# Altium PCB Stratochovy2.PcbDoc (part 2 of 2) (continued)
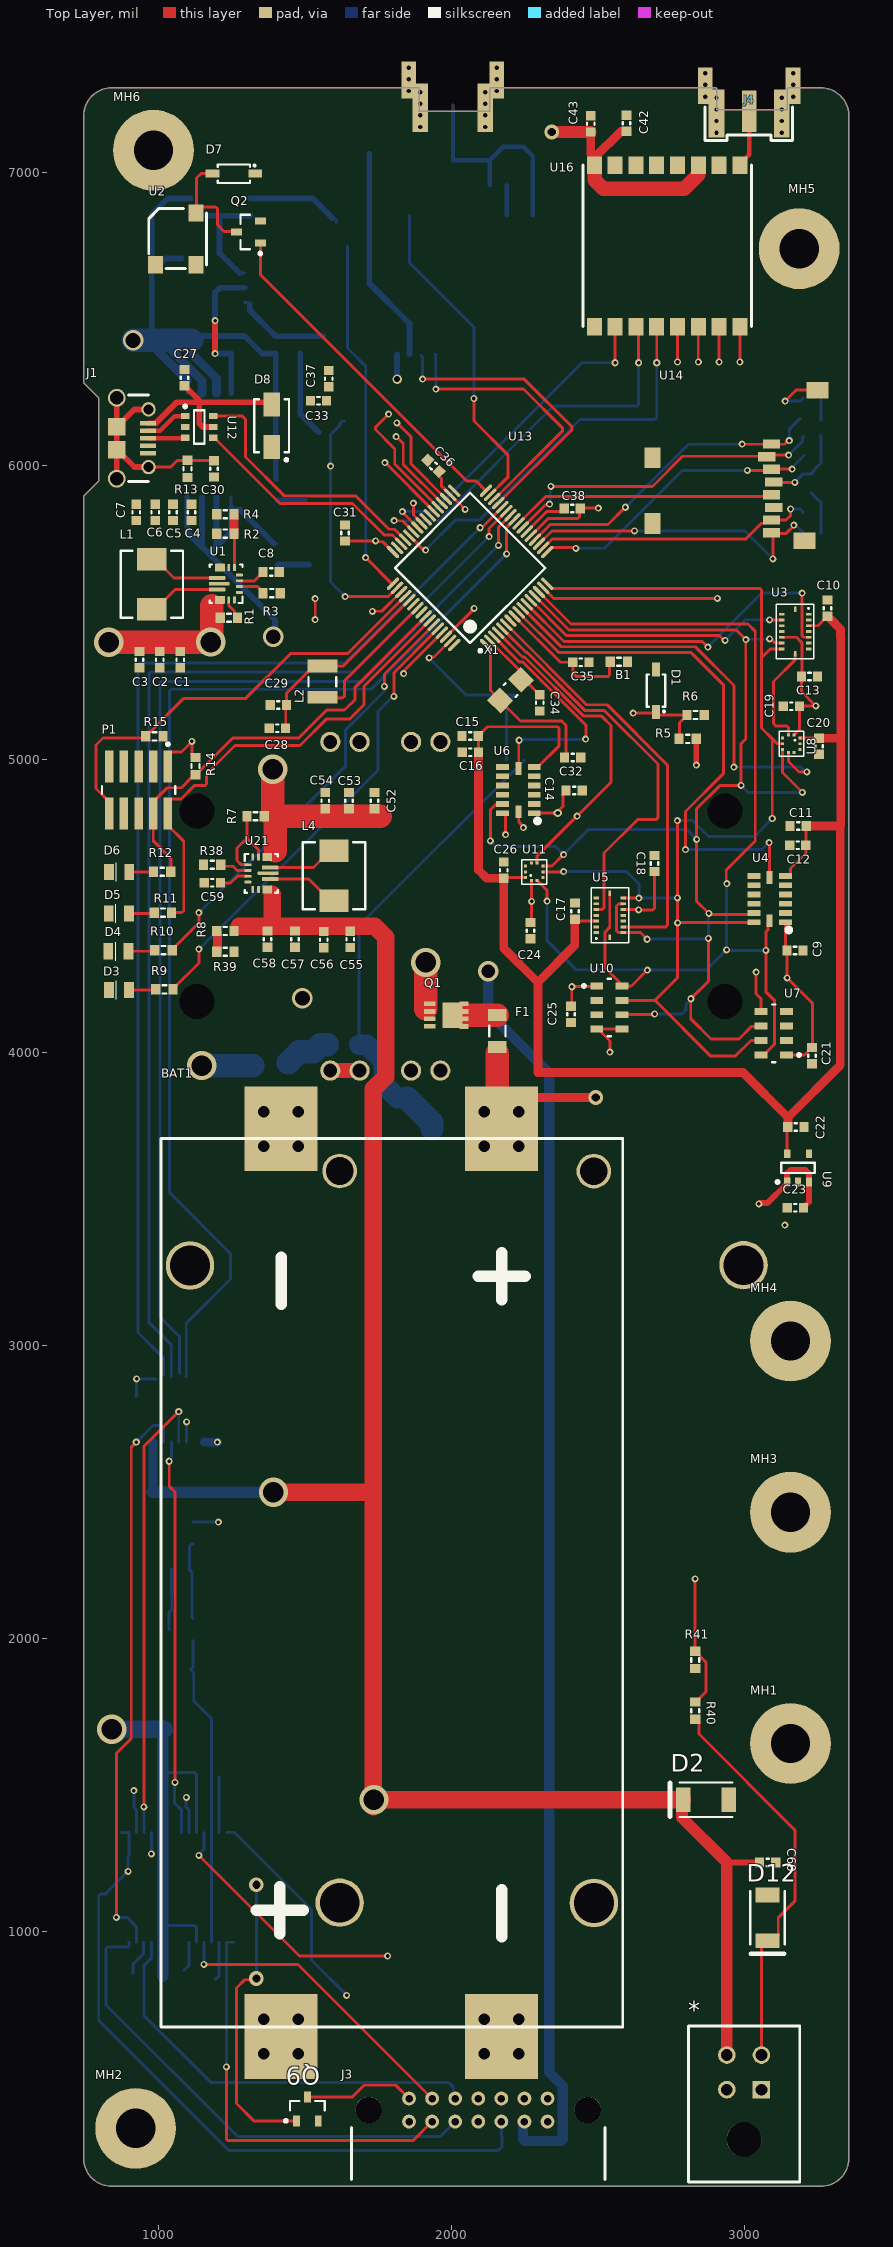
[diagram p0: Top Layer view]
## Nets (pads, with @x,y where several pads share a name; then routed paths per layer and width w, separated by ;. In a path a pad name is that pad's centre, name@x,y a point inside that pad or via, vN(x,y) a via of type N, cw(c..) or ccw(c..) an arc to the next point about the centre after c; other vN are vias at no path point) (continued)
  Bottom Layer w20: Q3.8@1098,5891.85 1098,5774 1144,5728 1172,5700 1200,5728 1248,5776 Q3.5@1248,5859.8 ; 1148,5732 Q3.7@1148,5891.85 ; 1172.41,5700.41 1397,5475.82 v5@1397,5422 ; 1198,5730 Q3.6@1198,5891.85 ; Q3.5@1257.93,5849.87 1278.75,5849.87 D10.1@1394.17,5734.45
NetD10_2: D10.2 R29.2 | length 108.9
  Bottom Layer w10: D10.2@1405,5665.55 D10.2@1407.08,5663.47
  Bottom Layer w20: D10.2@1407.08,5663.47 R29.2@1513,5663.47
NetF1_2: F1.2 Q1.5 | length 114
  Top Layer w80: 2042.03,4126.13 F1.2@2156,4126.13
NetF2_2: F2.2 Q6.5 | length 191.3
  Bottom Layer w10: F2.2@1560.2,3998.5 1575.87,4014.17 F2.2@1575.87,4025
  Bottom Layer w80: Q6.5@1443.03,3963.6 1480.93,4001.5 1528.74,4001.5 1552.24,4025 F2.2@1575.87,4025
NetJ2_S1: J2.S1 L3.2 U15.11 | length 312.9
  Bottom Layer w10: J2.S1@2004,7229.2 J2.S1@2004.65,7228.55
  Bottom Layer w15: J2.S1@2004.65,7228.55 L3.2@2004.65,7043.33 2131.44,7043.33
NetJ3_7: J3.7 Q9.3 | length 382.7
  Top Layer w10: Q9.3@1507.68,434.35 1660.35,434.35 1701,475 1809.52,475 J3.7@1854.78,429.74
NetL1_1: L1.1 U1.11 | length 250.3
  Top Layer w10: L1.1@977,5510.37 988.81,5510.37 1056.76,5578.31 1198.68,5578.31 U1.11@1199,5578
NetL1_2: L1.2 U1.9 | length 239.8
  Top Layer w10: L1.2@977,5681.63 988.81,5681.63 1052.76,5617.69 1189.32,5617.69 U1.9@1190,5617
NetL4_1: L4.1 U21.11 | length 229.8
  Top Layer w10: U21.11@1380.78,4629.69 1528.91,4629.69 1578,4678.77 L4.1@1578,4691
NetL4_2: L4.2 U21.9 | length 234.3
  Top Layer w10: U21.9@1380.78,4590.31 1512.91,4590.31 1578.23,4525 L4.2@1588,4525
NetQ3_4: Q3.4 R23.1 U17.3 | length 505.2
  Top Layer w20: v1(1193,6383.47) v1(1193,6496)
  Bottom Layer w10: R23.1@1247,6383.47 R23.1@1248,6382.47
  Bottom Layer w20: v1(1193,6383.47) R23.1@1247,6383.47 ; v1(1193,6496) 1193,6592 1209,6608 U17.3@1293.28,6608 ; Q3.4@1248,6248.15 R23.1@1248,6382.47
NetQ4_3: Q4.3 R27.1 | length 301.2
  Bottom Layer w10: Q4.3@1545.76,6115 Q4.3@1552.65,6115
  Bottom Layer w20: R27.1@1483.49,6383.47 1483.49,6177.26 Q4.3@1545.76,6115
NetQ5_3: Q5.3 R28.1 | length 330.7
  Bottom Layer w10: 1593.3,6845.06 1600.19,6845.06 1607,6838.24 Q5.3@1607,6831.35
  Bottom Layer w20: R28.1@1314,6912.53 1525.83,6912.53 1593.3,6845.06
NetQ7_1: Q7.1 Q8.2 R30.1 | length 269.8
  Bottom Layer w10: R30.1@1103.53,2236 R30.1@1106,2233.53 ; Q7.1@1117.35,2067.4 1114.28,2070.48 1114.28,2225.25 R30.1@1106,2233.53 ; Q8.2@1117.35,2321.6 1112.81,2321.6 1106,2314.79 R30.1@1106,2233.53
NetR1_1: R1.1 U1.1@1275.79,5568.47 U1.14 | length 50.5
  Top Layer w10: U1.14@1239.37,5542.88 1239.65,5542.61 1239.65,5523.71 1259.06,5504.3 1259.06,5500.53
NetR2_1: R2.1 R4.1 U1.5 | length 181.3
  Top Layer w10: R2.1@1257.53,5769 1258.92,5756.28 U1.5@1258.92,5653.26
  Top Layer w30: R4.1@1257.53,5835 1257.55,5832.28 1257.55,5832.08 1258.04,5772.18 1258.04,5771.72 R2.1@1258.06,5769.54
NetR3_1: R3.1 U1.2 | length 89.9
  Top Layer w10: U1.2@1275.79,5588.16 1338.28,5588.16 1354.44,5572 R3.1@1359,5572
NetR7_1: R7.1 U21.1@1304.99,4639.53 U21.14 | length 289.6
  Top Layer w10: R7.1@1301.47,4805 1302.04,4804.43 1302.04,4729.95 ; U21.1@1304.99,4639.53 1281.94,4639.53 1268.16,4653.31 1268.16,4696.07 1302.04,4729.95 ; U21.14@1341.41,4665.12 1341.41,4690.58 1302.04,4729.95
NetR8_1: R8.1 R39.1 U21.5 | length 67.5
  Top Layer w30: R39.1@1201.47,4342 R8.1@1201.47,4409.53
NetR22_1: R22.1 U15.9 | length 104.7
  Bottom Layer w10: U15.9@2188.53,6856.36 U15.9@2190.67,6854.22
  Bottom Layer w15: U15.9@2188.53,6856.36 R22.1@2188.53,6958
NetR31_1: R31.1 U20.29 | length 122.9
  Bottom Layer w10: R31.1@912.44,855.61 912.44,887.23 948.74,923.53 948.74,961.89 U20.29@949.84,962.99
NetR33_1: R33.1 U20.23 | length 102.4
  Bottom Layer w10: R33.1@1087,868.53 1088.97,868.53 1103.39,882.95 U20.23@1103.39,962.99
NetR34_2: R34.2 U20.14 | length 190.1
  Bottom Layer w10: U20.14@1205.75,1337.01 R34.2@1205.75,1527.09
NetR35_1: R35.1 U20.19 | length 131.9
  Bottom Layer w10: R35.1@1194,836.53 1195,836.53 1205.75,847.28 U20.19@1205.75,962.99
NetR38_1: R38.1 U21.2 | length 94.7
  Top Layer w10: R38.1@1217,4636 1219,4634 1254,4634 1268.16,4619.84 U21.2@1304.99,4619.84
NetU13_25: U13.25 U19.5 | length 3937.2
  Top Layer w10: v1(2188,5700) 2188,5791 U13.25@2198,5801
  Bottom Layer w10: U19.5@1094,2893 1094.59,2893.59 1094.59,3074.59 1246,3226 1246,3312 1038,3520 1038,5232.14 1043.86,5238 1726,5238 v1(2188,5700)
NetU13_26: U13.26 U19.4 | length 3847.3
  Top Layer w10: v1(2160,5729) 2160,5790.76 2198,5828.76 U13.26@2198,5829
  Bottom Layer w10: U19.4@1072,2905 1071,2906 1071,3030 1005,3096 1005,5259.14 1010.86,5265 1696,5265 v1(2160,5729)
NetU13_27: U13.27 U19.3 | length 3895.8
  Top Layer w10: v1@2127,5759 2128,5760 2128,5786.6 U13.27@2186.88,5845.48
  Bottom Layer w10: U19.3@1043.41,2892.22 1043.41,3001.59 967,3078 967,5291.14 972.86,5297 1666,5297 2126,5757 v1@2126,5759
  other v1: 2128,5759
NetU13_28: U13.28 U19.2 | length 3922.8
  Top Layer w10: v1(2097,5789) 2099.68,5791.68 2105.24,5791.68 2170.56,5857 U13.28@2171,5857
  Bottom Layer w10: U19.2@1018,2898 1017.82,2898.18 1017.82,2955.18 930,3043 930,5321.59 935.86,5327.45 1635.45,5327.45 v1(2097,5789)
NetU13_35: U13.35 U16.14 | length 1618.2
  Top Layer w10: v1(1813,6147) 1814,6147 1862,6099 1862,6006.11 U13.35@1980.88,5887.24 ; v1(2841.6,6354.55) U16.14@2841.6,6475
  Plane (GND) w10: v1(1813,6147) 2725,6147 2841.6,6263.6 v1(2841.6,6354.55)
NetU13_36: U13.36 U16.15 | length 1691.3
  Top Layer w10: v1(1811,6100) 1835,6076 1835,6005.27 U13.36@1966.96,5873.32 ; v1(2912.46,6354.55) U16.15@2912.46,6475
  Plane (GND) w10: v1(1811,6100) 1832,6121 2803,6121 2912.46,6230.46 v1(2912.46,6354.55)
NetU13_37: U13.37 U16.13 | length 1676.9
  Top Layer w10: v1@1782,6178 1782,6174 1740.14,6132.14 1740.14,6123.86 1806,6058 1806,6006.44 U13.37@1953.04,5859.4 ; v1(2770.73,6354.55) U16.13@2770.73,6475
  Plane (GND) w10: v1(1785,6177) 1786,6177 1788,6179 1790,6177 2715,6177 2770.73,6232.73 v1(2770.73,6354.55)
NetU13_38: U13.38 U16.16 | length 1757.8
  Top Layer w10: v1@1772,6013 1775,6010 1775,6009.6 U13.38@1939.12,5845.48 ; v1(2983.33,6354.55) U16.16@2983.33,6475
  Plane (GND) w10: v1(1772,6011) 1856,6095 2804,6095 2983.33,6274.33 v1(2983.33,6354.55)
NetU13_39: U13.39
NetU13_40: U13.40
NetU13_64: U13.64
NetU18_7: U18.7 U18.8 | length 100
  Top Layer w50: U18.8@1586,3937 U18.7@1686,3937
NetU19_10: U19.10 U20.3 | length 1547.8
  Plane (GND) w10: v1(916,1480) 916,2558 v1(1096,2738)
  Bottom Layer w10: v1(916,1480) 916,1423.08 924.25,1414.83 U20.3@924.25,1337.01 ; U19.10@1094.59,2669.78 1095.3,2670.48 1095.3,2737.3 v1(1096,2738)
NetU19_11: U19.11 U20.4 | length 1589.5
  Top Layer w10: v1(949.84,1425) 949.84,2654.28 v1(1069,2773.44)
  Bottom Layer w10: U20.4@949.84,1337.01 v1(949.84,1425) ; U19.11@1069,2669.78 v1(1069,2773.44)
NetU19_12: U19.12 U20.9 | length 1354.7
  Top Layer w10: v1(1036,2604) 1036.65,2603.35 1036.65,2518.9 1056.25,2499.29 v1(1056.25,1508.39)
  Bottom Layer w10: v1(1036,2604) 1036,2607.79 1044,2615.79 1044,2669.19 U19.12@1043.41,2669.78 ; v1(1056.25,1508.39) 1055,1507.13 1055,1438 1077.8,1415.2 U20.9@1077.8,1337.01
NetU19_13: U19.13 U20.30 | length 1952.2
  Top Layer w10: v1(856,1048) 856,1607 907,1658 907,2652 v1(924,2669)
  Bottom Layer w10: v1(856,1048) 892.39,1048 924.25,1016.14 U20.30@924.25,962.99 ; v1(924,2669) 981,2726 1009,2726 1017.82,2717.18 U19.13@1017.82,2669.78
PPS: U13.31 U15.3 | length 1118.5
  Top Layer w10: v1@2077,6227 2076,6226 2076,6153.08 2193,6036.08 2193,5962.95 U13.31@2131.21,5901.16
  Bottom Layer w10: U15.3@1856.02,6854.22 1856.02,6692.98 2076,6473 v1(2076,6230) v1@2074,6228
PT_OUT: R40.1 R41.2 U13.61 | length 4211.7
  Top Layer w10: v1(1836,5291.21) 1838.68,5293.89 1838.68,5302.4 U13.61@1966.96,5430.68 ; v1(2831,2203) R41.2@2831,1955.53 2832.97,1955.53 2843.72,1944.78 2843.72,1942.81 2868,1918.53 2868,1817.56 2832.97,1782.53 R40.1@2831,1782.53 R40.1@2841.75,1793.28
  Plane (GND) w10: v1(1836,5291.21) 1919.69,5291.21 2044.1,5166.79 2044.1,4530.9 2372,4203 2372,2662 v1(2831,2203)
RF_BUSY: U13.43 U16.11 | length 1349
  Top Layer w10: v1@1804,5811 1806,5813 1832.4,5813 U13.43@1869.52,5775.88 ; U16.11@2629,6475 2638,6466 v1(2638,6352)
  Bottom Layer w10: v1(1804,5813) 1957,5813 2348,6204 2632.14,6204 2638,6209.86 v1(2638,6352)
RF_DIO1: U13.42 U16.10 | length 1135.1
  Top Layer w10: v1(1832,5844) 1832,5841.73 1883.44,5790.29 U13.42@1883.44,5789.8 ; v1(2558.13,6352) U16.10@2558.13,6475
  Bottom Layer w10: v1(1832,5844) 1937,5844 2445,6352 v1(2558.13,6352)
RF_NRESET: U13.44 U16.12 | length 1356
  Top Layer w10: U13.44@1860,5757 1860.56,5757 1901.89,5715.68 1908.32,5715.68 v1(1911,5713) ; v1(2699.87,6352) U16.12@2699.87,6475
  Bottom Layer w10: v1(1911,5713) 2014,5816 2096,5816 2438,6158 2694.01,6158 2699.87,6163.86 v1(2699.87,6352)
RST: P1.10 R15.1 U13.52 | length 1506.7
  Top Layer w10: P1.10@832,4813.88 832,4854.24 787,4899.24 787,5048 811,5072 955,5072 R15.1@959,5076 ; R15.1@956.47,5077 956.47,5078.97 967.22,5089.72 969.19,5089.72 1086.47,5207 1298,5207 1451,5360 1645.73,5360 1831,5545.27 U13.52@1831,5546
SCK: U3.8 U4.14 U5.8 U6.14 U7.8 U8.2 U10.8 U11.2 U13.14 | length 4304.4
  Top Layer w10: U6.14@2228,4821 2229,4820 2229,4785.79 2245,4769.79 v1(2245,4766) ; U11.2@2292,4585 2326,4551 v1(2326,4515) ; U13.14@2298.24,5569.88 2407.11,5461 3011.14,5461 3036,5436.14 3036,4720 2937,4621 2937,4577 v1(2939,4575) ; U5.8@2539.67,4542.08 2539.67,4425.67 2523,4409 2523,4288 U10.8@2578,4233 ; U10.8@2581.31,4225.82 2613.82,4225.82 2667,4279 v1@2667,4280 ; U7.8@3067,3991 3067,3991.65 3101,4025.65 3101,4177 3072,4206 v1(3072,4347) ; v1@3070,4346 3072,4348 3072,4410 3080.18,4418.19 3080.18,4443.26 U4.14@3085.03,4448.1 ; U8.2@3149,5085 3149,5107.14 3143.14,5113 3106,5113 3098,5121 3098,5264 3172.33,5338.33 U3.8@3172.33,5359.61
  Bottom Layer w10: v1(2326,4515) 2326,4380 2425,4281 2667,4281 v1@2668,4282 ; v1@2669,4280 2869,4280 v1(2938,4349) ; v1(2939,4575) 2938,4574 2938,4351.86 2943.86,4346 v1@3072,4346
  other v1: 2668,4280
SD_CD: R21.2 U13.15 U14.CD | length 1666.5
  Top Layer w10: U13.15@2312.16,5583.79 2348.95,5547 2902,5547 v1@2904,5549 ; v1@3138,6223 3140,6223 3175.39,6258.39 U14.CD@3248.61,6258.39
  Plane (GND) w10: v1(2907,5548) 2907,6159 2967,6219 3135,6219 v1@3137,6221
  Bottom Layer w10: v1(3138,6221) 3188,6221 3188.28,6221.28 3190.2,6221.28 3199,6230.09 R21.2@3199,6232
SD_CLK: U13.24 U14.5 | length 873
  Top Layer w10: U13.24@2228.64,5803.72 2320.92,5896 U14.5@3063.46,5896
SD_CMD: R17.2 U13.17 U14.3 | length 1001.1
  Top Layer w10: U13.17@2326.08,5706.29 2341.04,5721.25 2420.75,5721.25 v1@2425,5717 ; v1(3009,5985) 3078,5985 U14.3@3081,5988 ; U14.3@3101,5991 3103,5989 v1(3162,5989)
  Bottom Layer w10: v1(2424,5719) 2522,5719 2788,5985 3008,5985 v1@3009,5986 ; v1(3162,5989) 3164.68,5991.68 3164.68,5998.24 3202,6035.56 R17.2@3202,6036
SD_DAT0: R18.2 U13.18 U14.7 | length 948.3
  Top Layer w10: U13.18@2312.16,5720.21 2312.65,5720.21 2342.44,5750 3003,5750 3057.33,5804.33 3066.6,5804.33 3072,5809.73 U14.7@3072,5819 ; U14.7@3091.13,5815.08 3141.08,5815.08 3156,5830 3156,5850 v1@3158,5852
  Bottom Layer w10: v1(3157,5853) 3189.2,5853 3199,5843.2 R18.2@3199,5841
SD_DAT1: R20.2 U13.19 U14.8 | length 1066.3
  Top Layer w10: U13.19@2298.24,5734.12 2342.11,5778 v1(2624,5778) ; U14.8@3094,5774 3096,5772 v1(3096,5683) ; U14.8@3104,5770 3142,5770 3168,5796 v1(3168,5798)
  Bottom Layer w10: v1(2624,5778) 3001,5778 3093,5686 v1@3095,5686 ; v1(3168,5798) 3170.68,5795.32 3177.12,5795.32 R20.2@3201.44,5771
SD_DAT2: R19.2 U13.20 U14.1 | length 1078.8
  Top Layer w10: U13.20@2284.32,5748.04 2336.27,5800 2534,5800 2591,5857 v1@2591,5859 ; v1(2991,6074) 3081,6074 U14.1@3084,6077 ; U14.1@3103,6074 3136.21,6074 3148.21,6086 v1(3152,6086)
  Bottom Layer w10: v1(2593,5859) 2808,6074 2988,6074 v1@2990,6076 ; v1(3152,6086) 3152,6125 R19.2@3188,6161
SD_DAT3: R16.2 U13.23 U14.2 | length 1108.3
  Top Layer w10: U13.23@2254.76,5802 2320.08,5867.32 2331.32,5867.32 v1(2334,5870) ; v1(2339,5930) 2685,5930 2788,6033 U14.2@3076,6033 ; U14.2@3077,6033 3081,6037 v1(3150,6037)
  Bottom Layer w10: v1(2334,5870) 2336.5,5872.5 2336.5,5931.5 v1@2336,5932 ; v1(3150,6037) 3197,6084 3197,6098 R16.2@3199,6100
SQB_HI_1A: J3.3 U20.5 | length 1884.5
  Plane (GND) w10: v1(975.43,1264.17) 975.43,1164.86 981.29,1159 1198,1159 1372,985 1979,985 2169.74,794.26 J3.3@2169.74,429.74
  Bottom Layer w10: v1(975.43,1264.17) U20.5@975.43,1337.01
SQB_HI_1B: J3.4 U20.12 | length 1583
  Top Layer w10: v1(1138,1259) 1481,916 v1(1782,916)
  Plane (GND) w10: v1(1782,916) 1949,916 2055,810 2055,550 2091,514 J3.4@2091,429.74
  Bottom Layer w10: v1(1138,1259) 1138,1262.79 1154.57,1279.36 U20.12@1154.57,1337.01
SQB_HI_2A: J3.5 U20.28 | length 1459
  Bottom Layer w10: U20.28@975.43,962.99 975.43,908.54 949.84,882.95 949.84,713.16 1178,485 1989,485 2005.64,468.36 2005.64,436.36 J3.5@2012.26,429.74
SQB_HI_2B: J3.6 U20.21 | length 1044.2
  Top Layer w10: v1(1154.57,887.23) 1476.03,887.23 J3.6@1933.52,429.74
  Bottom Layer w10: v1(1154.57,887.23) U20.21@1154.57,962.99
SQB_LO_1A: J3.12 U20.1 U20.2 | length 2369.6
  Bottom Layer w10: U20.1@873.07,1337.01 U20.2@898.66,1337.01 898.66,1260.03 896,1257.37 v1(896,1205) 818.57,1127.57 801.86,1127.57 796,1121.71 796,696 1239,253 2159,253 2171.86,265.86 2171.86,298.77 2169.74,300.89 J3.12@2169.74,351
SQB_LO_1B: J3.11 U20.15 U20.16 | length 1488.2
  Plane (GND) w10: v1(1642,782) 1775,649 1775,532.86 1780.86,527 2002,527 2051,478 2051,391 J3.11@2091,351
  Bottom Layer w10: U20.15@1231.34,1337.01 U20.16@1256.93,1337.01 1259.66,1337.01 1522,1074.67 1522,902 v1(1642,782)
SQB_LO_2A: J3.10 U20.31 U20.32 | length 1685
  Bottom Layer w10: U20.31@898.66,962.99 898.66,949.66 896.01,947 826.86,947 821,941.14 821,749 1270,300 1961.26,300 J3.10@2012.26,351
SQB_LO_2B: J3.9 U20.17 U20.18 | length 1428.3
  Top Layer w10: v1(1231.34,537.34) 1231.34,291.86 1237.2,286 1868.52,286 J3.9@1933.52,351
  Bottom Layer w10: v1(1231.34,537.34) U20.18@1231.34,962.99 U20.17@1256.93,962.99
USB_CON_N: J1.2 U12.1 | length 146.7
  Top Layer w15: J1.2@964,6120 1005,6120 1055,6170 U12.1@1090,6170
USB_CON_P: J1.3 U12.3 | length 123.7
  Top Layer w15: J1.3@964,6094.41 964.37,6094.78 1085.78,6094.78 U12.3@1087,6096
USB_N: U12.6 U13.45 | length 884.7
  Top Layer w10: U12.6@1187.23,6170.4 1285.6,6170.4 1297,6159 1297,6030 1429,5898 1672,5898 1786,5784 1805,5784 U13.45@1827.13,5761.87
USB_P: U12.4 U13.46 | length 790.3
  Top Layer w10: U12.4@1187.23,6095.6 1191.17,6095.6 1414.76,5872 1662,5872 1770,5764 1797.89,5764 U13.46@1827.76,5734.12
VBAT: C1.1 C2.1 C3.1 C49.1 C50.1 C51.1 C52.1 C53.1 C54.1 D8.2 Q1.1 R1.2 R7.2 U1.12 U1.13 U20.6 U20.7 U20.11 U20.22 U20.26 U20.27 U21.12 U21.13 | length 8059.3
  Top Layer w10: R7.2@1360.53,4805 1390,4805 ; Q1.1@1924.79,4114.69 1924.91,4114.57 Q1.1@1924.91,4113.73 Q1.1@1930.85,4113.73
  Top Layer w80: v3(830,5398) 831,5399 v3(1178.35,5399) 1182.17,5402.83 1182.17,5523 ; v3(1390,4965) 1390,4805 1756.1,4805 ; 1398.5,4687.63 1398.5,4805 ; 1912,4147 v3(1912,4306)
  Plane (3V3) w10: 1505,4965 1507,4967
  Plane (3V3) w80: v3(830,5398) 830,3547.09 840,3537.09 v3(840,1690) ; v3(1178.35,5399) 1490.2,5087.14 1490.2,4965 ; v3(1390,4965) 1490.2,4965 ; 1505,4965 1490.2,4965 ; 1507,4967 1507,4880 1912,4475 v3(1912,4306)
  Bottom Layer w10: C49.1@1009,841.06 C49.1@1014.8,846.86 ; 1014.8,1020.02 1123.12,1020.02 1128.98,1014.17 U20.22@1128.98,962.99 ; 1014.8,1541.45 1123.12,1541.45 1128.98,1535.59 U20.11@1128.98,1337.01
  Bottom Layer w40: C49.1@1014.8,846.86 1014.8,962.99 1014.8,1020.02 1014.8,1337.01 1014.8,1541.45 1014.8,1690 C51.1@1014.8,1701
  Bottom Layer w60: v3(840,1690) 1014.8,1690 C51.1@1018.85,1690
VBAT_COTS: D9.1 Q3.1 Q3.2 Q3.3 Q6.1 R23.2 R24.2 R25.2 U17.8 | length 2509.1
  Bottom Layer w10: 977,6412.46 977,6428 ; 1036,6403.46 1036,6428 ; 1078.02,6412 1085,6412 ; Q3.1@1098,6248.15 Q3.1@1098,6291.46 ; 1114,6428 1129.53,6443.53 ; R23.2@1248,6441.53 R23.2@1250,6443.53 ; Q6.1@1325.7,3963.8 Q6.1@1325.91,3963.6 ; D9.1@1400,5957 D9.1@1406.55,5950.45
  Bottom Layer w20: 977,6428 977,6662 ; U17.8@1078.72,6708 1023,6708 977,6662 ; R25.2@1110,6912.53 1032,6912.53 977,6857.53 977,6662 ; 1129.53,6443.53 R23.2@1248,6443.53 ; R23.2@1250,6443.53 1293.28,6443.53 1353.34,6383.47 R24.2@1400,6383.47 D9.1@1400,5957
  Bottom Layer w30: 977,6412.46 Q3.1@1098,6291.46 ; 1036,6403.46 1148,6291.46 Q3.2@1148,6248.15 ; 1085,6412 1197.71,6299.29 1197.71,6248.44 Q3.3@1198,6248.15
  Bottom Layer w80: v5(913,6428) 977,6428 1036,6428 1114,6428 ; v3(1148,3954) 1322,3954
VBUS: C27.1 D8.1 J1.1 U12.5 | length 657.6
  Top Layer w10: C27.1@1089,6273.44 1089.98,6273.44 1100.73,6262.69 C27.1@1100.73,6261.71 ; 1139,6217 1139,6223.44
  Top Layer w20: J1.1@964,6145.59 990.59,6145.59 1062,6217 1139,6217 ; C27.1@1100.73,6261.71 1139,6223.44 ; U12.5@1187.23,6133 1150.72,6133 1139,6144.72 1139,6217 ; D8.1@1386,6209.83 1378.83,6217 1139,6217
VCELLB: BAT1.CELL2+ F1.1 R5.2 | length 2036.2
  Top Layer w10: F1.1@2153.73,3999 2156,3996.73
  Top Layer w20: v1(2834.83,4979) R5.2@2834.83,5068.52
  Top Layer w30: BAT1.CELL2+@2170.42,3738.06 2277.36,3845 v4(2492,3845)
  Top Layer w80: 2156,3996.73 2156,3841.75 BAT1.CELL2+@2111.36,3797.11 BAT1.CELL2+@2170.42,3738.06
  Plane (GND) w30: v4(2492,3845) 2732,4085 2732,4876.17 v1(2834.83,4979)
VCELLB_COTS: BAT4.CELL2+ F2.1 R36.2 | length 1628
  Bottom Layer w10: F2.1@1684.13,4025 1684.13,4431.64 2246.53,4994.03 R36.2@2246.53,4996
  Bottom Layer w70: F2.1@1684.13,4025 1710.31,4025 1768,3967.31 1768,3890.1 1814.86,3843.24 BAT4.CELL2+@1848.01,3843.24
  Bottom Layer w80: BAT4.CELL2+@1848.01,3843.24 1933.01,3758.24 BAT4.CELL2+@1933.01,3738.75
VDDCORE: C28.2 C29.1 L2.1 U13.53 | length 644.4
  Top Layer w10: C28.2@1434,5105.88 C29.1@1434,5183 ; C29.1@1436.56,5184 1436.56,5224.24 1530.32,5318 L2.1@1544,5318 ; L2.1@1568,5317 1630.56,5317 U13.53@1855.6,5542.04
VS: C10.1 C11.2 C12.1 C15.2 C16.1 C17.1 C20.1 C22.1 C26.1 U3.3 U4.6 U5.3 U6.6 U8.10 U9.5 U11.10 | length 5522.6
  Top Layer w10: C15.2@2090.56,5078 2122.56,5110 2361.14,5110 2367,5104.14 2367,5045.39 2296.61,4975 U6.6@2294,4975 ; C15.2@2091,5077 2091.56,5076.44 C16.1@2091.56,5023 ; C26.1@2169,4593 C26.1@2170,4594 ; C26.1@2183,4594 2184.32,4595.31 U11.10@2251.98,4595.31 ; C17.1@2419,4455 C17.1@2420,4454 ; C17.1@2428,4451 2432,4447 U5.3@2494,4447 ; U4.6@3139,4600.5 3151.16,4600.5 3156,4605.34 3156,4626 3209,4679 3209,4772 C11.2@3211,4774 ; U9.5@3144.6,3653.23 C22.1@3144.6,3756.6 ; U8.10@3189.02,5071.69 3256.32,5071.69 3257,5071 C20.1@3253,5071 ; C11.2@3211,4769.44 C11.2@3211.44,4769 ; U3.3@3218,5454.69 3249.7,5454.69 C10.1@3282,5486.98 ; C10.1@3283,5487 3283.98,5487 3294.73,5476.25 C10.1@3294.73,5475.27 ; 3323,5071 3326,5068 ; 3326,4771 3327.35,4772.35 3328,4773
  Top Layer w30: C16.1@2091.56,5023 2091.56,4621.44 2120,4593 C26.1@2169,4593 ; C26.1@2178,4593.44 2178,4354 2293,4239 ; C17.1@2420,4454 2420,4364 2295,4239 2295,3930 2994.5,3930 3147.75,3776.75 ; C22.1@3147,3744 3147.75,3744.75 3147.75,3776.75 ; C11.2@3210,4771 3326,4771 3326,3955 3147.75,3776.75 ; C20.1@3257,5071 3323,5071 ; C10.1@3294.73,5475.27 3327,5443 3327,5414 ; 3327.35,4772.35 3327.35,5071 3327.35,5416.65
VSW: L2.2 U13.55 | length 449.8
  Top Layer w10: L2.2@1591,5208 1628.14,5208 1634,5213.86 1634,5265.94 1866.04,5497.98 1866.73,5497.98 1882.95,5514.2 U13.55@1883.44,5514.2
pads on no net: *.0 *.2 BAT1.CLIP BAT4.CLIP J1.4 J3.15 MH1.1 MH2.1 MH3.1 MH4.1 MH5.1 MH6.1 P1.6 P1.7 P1.8 U1.0 U1.1@1184.72,5578.31 U1.1@1184.72,5617.69 U1.1@1215.24,5578.31 U1.1@1215.24,5617.69 U1.1@1225,5598 U2.3 U3.1 U3.12 U3.13 U3.16 U4.3 U4.8 U4.9 U4.10 U4.11 U5.1 U5.12 U5.13 U5.16 U6.3 U6.8 U6.9 U6.10 U6.11 U8.7 U11.7 U14.SHIELD1 U14.SHIELD2 U14.SHIELD3 U15.1 U15.2 U15.4 U15.5 U15.6 U15.8 U15.14 U15.15 U15.16 U15.17 U15.18 U15.19 U16.6 U16.9 U17.5 U17.7 U18.Hole1 U18.Hole2 U18.Hole3 U18.Hole4 U19.6 U19.9 U21.0 U21.1@1355.78,4610 U21.1@1365.54,4590.31 U21.1@1365.54,4629.69 U21.1@1396.06,4590.31 U21.1@1396.06,4629.69

## Polygon pours and split planes (outlines as drawn)
GND on Bottom Layer "NONET_L04_P003" (solid, shelved, pour order 3): 744.85,222.98 744.85,5895.22 cw(c749.86,5895.22) 746.33,5898.79 796.03,5948.48 796.03,6231.73 746.33,6281.42 cw(c749.86,6284.99) 744.85,6284.99 744.85,7194.44 cw(c749.86,7194.44) 744.85,7194.72 cw(c749.82,7194.99) 744.85,7194.99 cw(c839.86,7194.99) 839.86,7290 cw(c839.86,7284.99) 840.14,7289.99 cw(c840.41,7284.95) 840.41,7290 1884.9,7290 cw(c1884.9,7284.99) 1889.91,7285 cw(c1888.66,7284.99) 1889.91,7284.99 1889.91,7285 cw(c1884.92,7284.63) 1889.93,7284.63 1889.93,7210.85 2130.88,7210.85 2130.88,7284.73 cw(c2135.89,7285) 2135.89,7290.02 2899.89,7290.02 cw(c2899.89,7285) 2904.91,7285 cw(c2900,7285) 2904.9,7284.7 cw(c2899.96,7283.84) 2904.97,7283.84 2904.97,7214.85 3144.94,7214.85 3144.94,7284.84 cw(c3149.96,7284.84) 3149.96,7289.85 3259.96,7289.85 cw(c3259.96,7194.84) 3354.89,7198.73 cw(c3349.95,7197.84) 3354.97,7197.84 3354.97,224.84 cw(c3349.96,224.84) 3354.97,224.68 ccw(c3260.22,225.38) 3354.97,225.38 3354.97,224.68 cw(c3259.96,225.38) 3259.96,130.37 cw(c3259.96,135.38) 3259.23,130.42 cw(c3258.5,135.38) 3258.5,130.37 840.41,130.37 cw(c840.41,135.38) 840.14,130.37 cw(c839.86,135.34) 839.86,130.37 cw(c839.86,225.38) 744.9,222.27 cw(c749.85,222.98)
3V3 on Plane (3V3) "NONET_L03_P002" (solid, shelved, pour order 2): 744.85,222.98 744.85,5895.22 cw(c749.86,5895.22) 746.33,5898.79 796.03,5948.48 796.03,6231.73 746.33,6281.42 cw(c749.86,6284.99) 744.85,6284.99 744.85,7194.44 cw(c749.86,7194.44) 744.85,7194.72 cw(c749.82,7194.99) 744.85,7194.99 cw(c839.86,7194.99) 839.86,7290 cw(c839.86,7284.99) 840.14,7289.99 cw(c840.41,7284.95) 840.41,7290 1884.9,7290 cw(c1884.9,7284.99) 1889.91,7285 cw(c1888.66,7284.99) 1889.91,7284.99 1889.91,7285 cw(c1884.92,7284.63) 1889.93,7284.63 1889.93,7210.85 2130.88,7210.85 2130.88,7284.73 cw(c2135.89,7285) 2135.89,7290.02 2899.89,7290.02 cw(c2899.89,7285) 2904.91,7285 cw(c2900,7285) 2904.9,7284.7 cw(c2899.96,7283.84) 2904.97,7283.84 2904.97,7214.85 3144.94,7214.85 3144.94,7284.84 cw(c3149.96,7284.84) 3149.96,7289.85 3259.96,7289.85 cw(c3259.96,7194.84) 3354.89,7198.73 cw(c3349.95,7197.84) 3354.97,7197.84 3354.97,224.84 cw(c3349.96,224.84) 3354.97,224.68 ccw(c3260.22,225.38) 3354.97,225.38 3354.97,224.68 cw(c3259.96,225.38) 3259.96,130.37 cw(c3259.96,135.38) 3259.23,130.42 cw(c3258.5,135.38) 3258.5,130.37 840.41,130.37 cw(c840.41,135.38) 840.14,130.37 cw(c839.86,135.34) 839.86,130.37 cw(c839.86,225.38) 744.9,222.27 cw(c749.85,222.98)
GND on Plane (GND) "NONET_L02_P001" (solid, shelved, pour order 1): 744.85,222.98 744.85,5895.22 cw(c749.86,5895.22) 746.33,5898.79 796.03,5948.48 796.03,6231.73 746.33,6281.42 cw(c749.86,6284.99) 744.85,6284.99 744.85,7194.44 cw(c749.86,7194.44) 744.85,7194.72 cw(c749.82,7194.99) 744.85,7194.99 cw(c839.86,7194.99) 839.86,7290 cw(c839.86,7284.99) 840.14,7289.99 cw(c840.41,7284.95) 840.41,7290 1884.9,7290 cw(c1884.9,7284.99) 1889.91,7285 cw(c1888.66,7284.99) 1889.91,7284.99 1889.91,7285 cw(c1884.92,7284.63) 1889.93,7284.63 1889.93,7210.85 2130.88,7210.85 2130.88,7284.73 cw(c2135.89,7285) 2135.89,7290.02 2899.89,7290.02 cw(c2899.89,7285) 2904.91,7285 cw(c2900,7285) 2904.9,7284.7 cw(c2899.96,7283.84) 2904.97,7283.84 2904.97,7214.85 3144.94,7214.85 3144.94,7284.84 cw(c3149.96,7284.84) 3149.96,7289.85 3259.96,7289.85 cw(c3259.96,7194.84) 3354.89,7198.73 cw(c3349.95,7197.84) 3354.97,7197.84 3354.97,224.84 cw(c3349.96,224.84) 3354.97,224.68 ccw(c3260.22,225.38) 3354.97,225.38 3354.97,224.68 cw(c3259.96,225.38) 3259.96,130.37 cw(c3259.96,135.38) 3259.23,130.42 cw(c3258.5,135.38) 3258.5,130.37 840.41,130.37 cw(c840.41,135.38) 840.14,130.37 cw(c839.86,135.34) 839.86,130.37 cw(c839.86,225.38) 744.9,222.27 cw(c749.85,222.98)
GND on Top Layer "NONET_L01_P000" (solid, shelved, pour order 0): 744.85,222.98 744.85,5895.22 cw(c749.86,5895.22) 746.33,5898.79 796.03,5948.48 796.03,6231.73 746.33,6281.42 cw(c749.86,6284.99) 744.85,6284.99 744.85,7194.44 cw(c749.86,7194.44) 744.85,7194.72 cw(c749.82,7194.99) 744.85,7194.99 cw(c839.86,7194.99) 839.86,7290 cw(c839.86,7284.99) 840.14,7289.99 cw(c840.41,7284.95) 840.41,7290 1884.9,7290 cw(c1884.9,7284.99) 1889.91,7285 cw(c1888.66,7284.99) 1889.91,7284.99 1889.91,7285 cw(c1884.92,7284.63) 1889.93,7284.63 1889.93,7210.85 2130.88,7210.85 2130.88,7284.73 cw(c2135.89,7285) 2135.89,7290.02 2899.89,7290.02 cw(c2899.89,7285) 2904.91,7285 cw(c2900,7285) 2904.9,7284.7 cw(c2899.96,7283.84) 2904.97,7283.84 2904.97,7214.85 3144.94,7214.85 3144.94,7284.84 cw(c3149.96,7284.84) 3149.96,7289.85 3259.96,7289.85 cw(c3259.96,7194.84) 3354.89,7198.73 cw(c3349.95,7197.84) 3354.97,7197.84 3354.97,224.84 cw(c3349.96,224.84) 3354.97,224.68 ccw(c3260.22,225.38) 3354.97,225.38 3354.97,224.68 cw(c3259.96,225.38) 3259.96,130.37 cw(c3259.96,135.38) 3259.23,130.42 cw(c3258.5,135.38) 3258.5,130.37 840.41,130.37 cw(c840.41,135.38) 840.14,130.37 cw(c839.86,135.34) 839.86,130.37 cw(c839.86,225.38) 744.9,222.27 cw(c749.85,222.98)

## Text inside footprints (layer, text, board x,y; h text height)
C49: Mechanical 19 "+" at 1048,730.91 h40 r90; Mechanical 19 "-" at 1047,852.91 h40 r90
C50: Mechanical 19 "+" at 1129,1634 h40 r180; Mechanical 19 "-" at 1007,1633 h40 r180
C51: Mechanical 19 "+" at 1129,1729 h40 r180; Mechanical 19 "-" at 1007,1728 h40 r180
J1: Mechanical 1 "Board Edge" at 749.43,6192.83 h39.37 r270
J2: Mechanical 1 "J1" at 1984.43,7454 h30 r180
J4: Mechanical 1 "J1" at 3034.57,7435 h30 r180